# KiCad board k410t-devboard.kicad_pcb (continued)
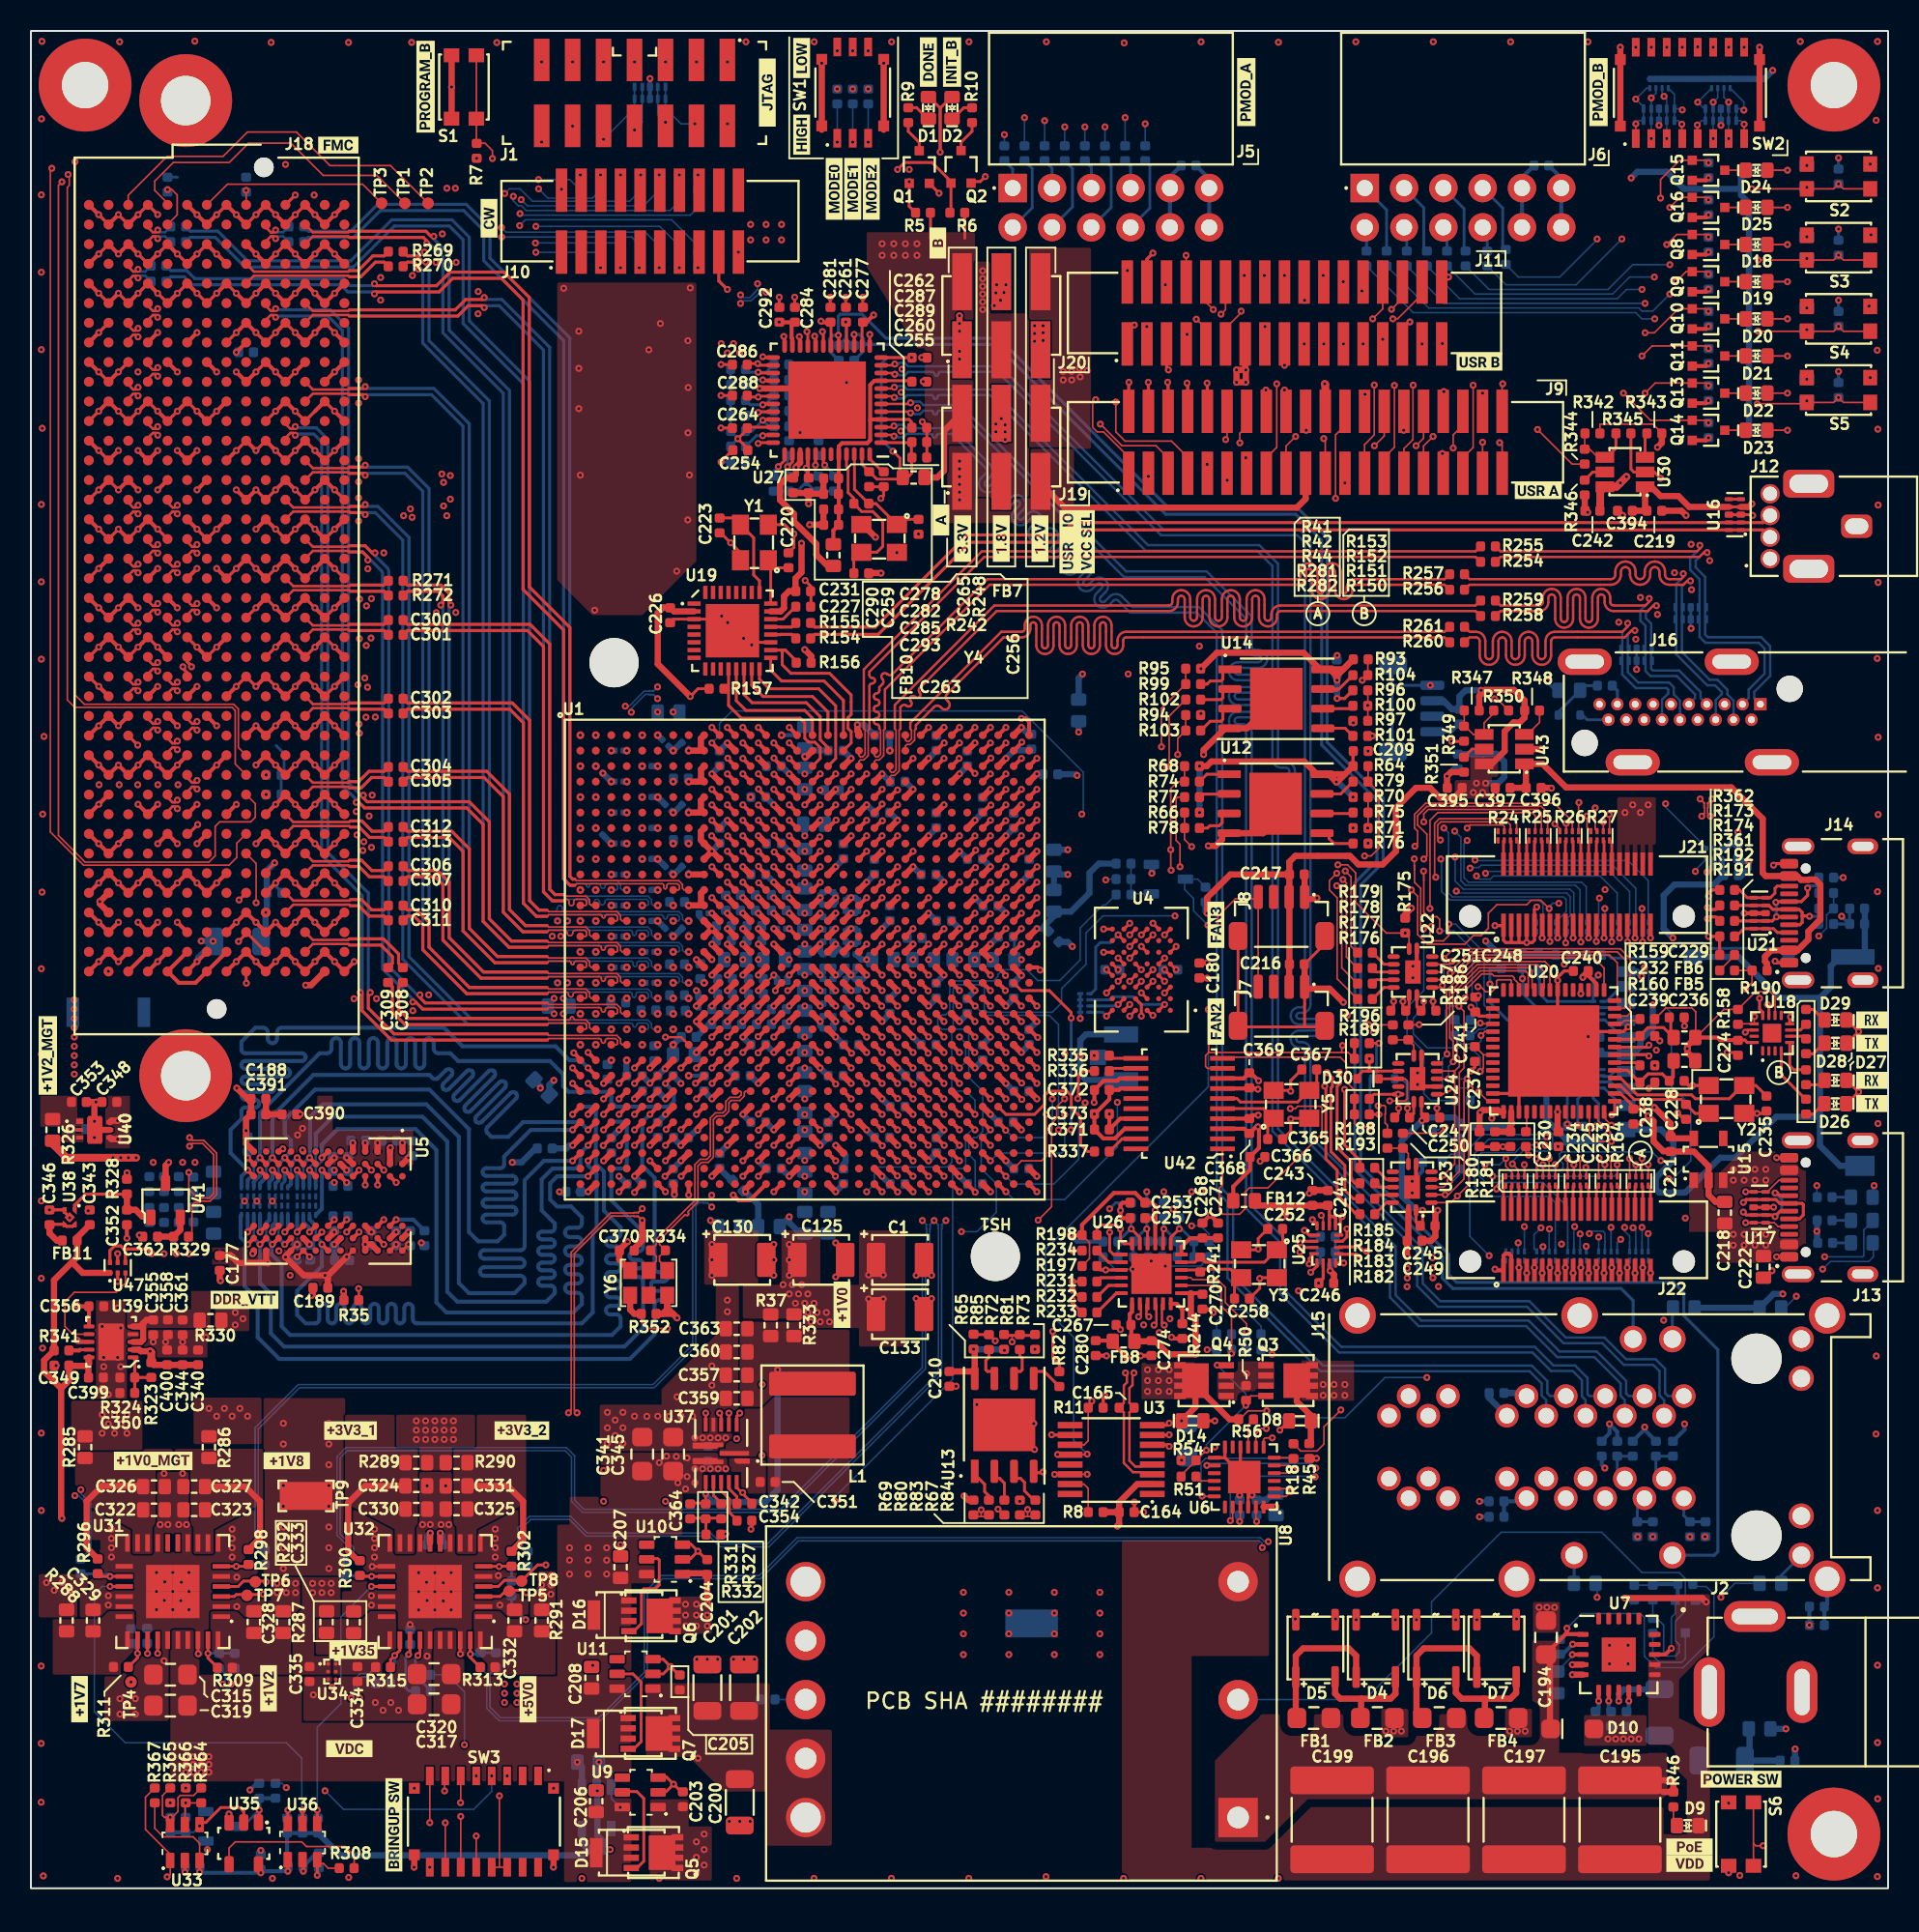
[diagram p0: board, top side]
## Routing (per net, layer and track width the routed paths; a pad name or vN(x,y) marks a point on that pad's centre or on a via; arc(x,y) is an arc through that point) (continued)
/FPGA Bank 33 & 34/SD_CARD.DAT2: length 115.3
  Top w0.256: U1.AE9 v1(43,50)
  In5.Cu w0.1: v1(43,50) 43.3,50 43.7,49.6 47.21,49.6 47.6,49.21 47.6,45.18 45.82,43.4 45.82,37.18 49.07,33.93 49.07,28.05 49.53,27.6 60.8,27.6 71.3,38.1 74.5,38.1 85.2,48.8 91.7,48.8 100.65,57.75 100.65,59.03 101,59.38 101.55,59.38 101.85,59.07 101.85,54.57 arc(101.78,54.42) 101.62,54.35 100.81,54.35 arc(100.65,54.28) 100.58,54.12 arc(100.65,53.97) 100.81,53.9 101.62,53.9 arc(101.78,53.83) 101.85,53.68 arc(101.78,53.52) 101.62,53.45 100.81,53.45 arc(100.65,53.38) 100.58,53.22 arc(100.65,53.07) 100.81,53 101.62,53 arc(101.78,52.93) 101.85,52.78 arc(101.78,52.62) 101.62,52.55 100.81,52.55 arc(100.65,52.48) 100.58,52.32 arc(100.65,52.17) 100.81,52.1 101.62,52.1 arc(101.78,52.03) 101.85,51.88 101.85,51.72 101.07,50.95 v1(101.07,49.22)
  Bottom w0.184: v1(101.07,49.22) 101.29,49.22 101.3,49.24 101.3,50.7 100.95,51.05 100.95,51.7
/FPGA Bank 33 & 34/SD_CARD.DAT3: length 121.7
  Top w0.256: U1.AB10 v1(44,53)
  In5.Cu w0.1: v1(99.95,49.3) 99.95,48.45 100.68,47.72 102.18,47.72 102.53,48.07 102.53,59.97 101.82,60.68 94.5,60.68 91.1,57.28 91.1,56.53 89.88,55.3 89.1,55.3 73.4,39.6 70.3,39.6 61.43,30.72 60.93,30.72 arc(60.8,30.78) 60.75,30.9 60.75,31.35 arc(60.7,31.48) 60.57,31.53 arc(60.45,31.48) 60.4,31.35 60.4,30.9 arc(60.35,30.78) 60.22,30.72 arc(60.1,30.78) 60.05,30.9 60.05,31.35 arc(60,31.48) 59.88,31.53 arc(59.75,31.48) 59.7,31.35 59.7,30.9 arc(59.65,30.78) 59.53,30.72 arc(59.4,30.78) 59.35,30.9 59.35,31.35 arc(59.3,31.48) 59.18,31.53 arc(59.05,31.48) 59,31.35 59,30.9 arc(58.95,30.78) 58.82,30.72 arc(58.7,30.78) 58.65,30.9 58.65,31.35 arc(58.6,31.48) 58.47,31.53 arc(58.35,31.48) 58.3,31.35 58.3,30.9 arc(58.25,30.78) 58.12,30.72 arc(58,30.78) 57.95,30.9 57.95,31.35 arc(57.9,31.48) 57.78,31.53 arc(57.65,31.48) 57.6,31.35 57.6,30.9 arc(57.55,30.78) 57.43,30.72 arc(57.3,30.78) 57.25,30.9 57.25,31.35 arc(57.2,31.48) 57.07,31.53 arc(56.95,31.48) 56.9,31.35 56.9,30.9 arc(56.85,30.78) 56.72,30.72 52.45,30.72 50.68,32.5 50.68,35.72 47.32,39.07 47.32,42.3 49.6,44.57 49.6,50.3 49.28,50.62 47.72,50.62 47.6,50.75 47.6,52.3 47.3,52.6 44.4,52.6 v1(44,53)
  Bottom w0.184: 100.95,52.1 100.45,52.1 100.15,51.8 100.15,51.2 99.95,51 v1(99.95,49.3) 100.01,49.24 100.3,49.24
/FPGA Bank 33 & 34/SD_CARD.~{CD}: length 89.1
  Top w0.256: v1(47,50.02) 47.02,50.02 U1.AE13
  In5.Cu w0.1: v1(99.07,59.7) 96.68,59.7 95.78,58.8 95.78,57.78 94.3,56.3 92.45,56.3 90.35,54.2 89.55,54.2 74.05,38.7 70.9,38.7 61.2,29 50.12,29 49.72,29.4 49.72,34.15 46.43,37.45 46.43,42.72 48.4,44.7 48.4,49.3 48.3,49.4 47.7,49.4 47.08,50.02 v1(47,50.02)
  Bottom w0.184: 100.51,60.3 99.49,60.3 99.49,60.11 v1(99.07,59.7)
/FPGA Bank 33 & 34/USR_FLASH_0.CLK: length 36.3
  Top w0.1: v1(63.4,35.3) 63.4,35.7 63.38,35.72
  Top w0.184: 64.88,35.78 64.81,35.72 62.94,35.72 62.88,35.78
  Top w0.256: U1.AJ12 v1(46,46)
  In7.Cu w0.1: v1(46,46) 46.6,45.4 46.6,44.6 46.3,44.3 46.3,39.1 55.4,30 62.9,30 63.4,30.5 v1(63.4,35.3)
/FPGA Bank 33 & 34/USR_FLASH_0.DQ0: length 37.7
  Top w0.184: v1(66.03,35.97) 66.03,34.28 66.45,33.85 66.45,33.38
  Top w0.256: U1.AJ13 v1(47,46)
  In7.Cu w0.1: v1(66.03,35.97) 65.7,36.3 61.2,36.3 60.47,35.57 60.47,31.07 60.2,30.8 55.6,30.8 47.1,39.3 47.1,45.9 v1(47,46)
/FPGA Bank 33 & 34/USR_FLASH_0.DQ1: length 34.6
  Top w0.1: v1(62.49,24.49) 62.87,24.12 62.9,24.12
  Top w0.256: v1(45.38,44.79) 45.72,44.45 46.45,44.45 U1.AK13
  In7.Cu w0.1: v1(45.38,44.79) 45.38,39.02 55.15,29.25 61.95,29.25 62.45,28.75 62.45,24.53 v1(62.49,24.49)
/FPGA Bank 33 & 34/USR_FLASH_0.DQ2: length 37.9
  Top w0.1: 64.44,24.01 64.8,24.01 64.9,24.12 ; 64.44,24.01 64.4,24.05 v1(64.4,24.47) ; 64.44,24.01 64,24.01 63.9,24.12
  Top w0.256: U1.AH12 v1(46,47)
  In7.Cu w0.1: v1(46,47) 45.5,46.5 45.5,45.4 45.8,45.1 45.8,39.1 55.3,29.6 64,29.6 64.4,29.2 v1(64.4,24.48)
/FPGA Bank 33 & 34/USR_FLASH_0.DQ3: length 34.6
  Top w0.184: 60.91,35.81 60.94,35.78 61.9,35.78
  Top w0.256: U1.AG13 v1(47,48)
  In7.Cu w0.1: v1(47,48) 46.6,47.6 46.6,45.7 46.8,45.5 46.8,44.3 46.7,44.2 46.7,39.2 55.5,30.4 61.5,30.4 61.9,30.8 61.9,34.96 v1(62.31,35.37)
/FPGA Bank 33 & 34/USR_FLASH_0.~{CS}: length 37.8
  Top w0.1: 60.9,24.12 61,24.01 61.41,24.01 ; 61.41,24.01 61.4,24.03 v1(61.4,24.45) ; 61.41,24.01 61.8,24.01 61.9,24.12
  Top w0.256: U1.AF13 47.01,49.01 v1(47.01,48.98)
  In7.Cu w0.1: v1(61.4,24.45) 61.4,28.27 60.9,28.78 55.18,28.78 45,38.95 45,46.97 v1(47.01,48.98)
/FPGA Config/DONE: length 210.6
  Top w0.182: v1(56.75,110.26) 56.75,108.67 57.16,108.26
  Top w0.256: U1.M10 v1(44,64)
  In3.Cu w0.1: v1(44,64) 44.6,64.6 44.6,75.6 44.2,76 44.2,103.2 45,104 45,108.13 46.11,109.24 55.73,109.24 v1(56.75,110.26) 57.19,110.7 57.19,113.79 60.6,117.2 110.1,117.2 112,115.3 112,95.8 95,78.8 95,51.2 97.25,48.95 97.25,48.05 v1(97.28,48.03)
  Bottom w0.1: 99.3,41.73 99.3,44 97.7,45.6 94,45.6 93.53,46.07 93.53,47.32 93.72,47.53 95.9,47.53 96.4,48.03 v1(97.28,48.03)
/FPGA Config/FPGA_CFG_DXN: length 76.6
  Top w0.153: v1(71.28,33.3) 71.18,33.21 71.18,32.51 70.98,32.31 70.98,31.35 71.28,31.05 70.98,30.75 70.98,27.62 71.36,27.25 71.72,27.25 71.86,27.38 72.45,27.38
  Top w0.256: v1(48.1,58) 48.1,58.1 U1.U14
  In7.Cu w0.1: v1(48.1,58) 48.4,57.7 48.4,56.79 48.21,56.6 46.66,56.6 46.4,56.34 46.4,52.34 45.9,51.84 45.9,51.19 43.85,49.14 43.85,47.26 44.45,46.66 44.45,43.14 42.7,41.39 42.7,35.76 55.91,22.55 66.69,22.55 71.1,26.96 71.1,33.12 v1(71.28,33.3)
/FPGA Config/FPGA_CFG_DXP: length 76.7
  Top w0.153: 72.45,26.75 71.86,26.75 71.72,26.88 71.21,26.88 70.62,27.48 70.62,30.75 70.31,31.05 70.62,31.35 70.62,32.48 70.82,32.68 70.82,33.21 v1(70.72,33.3)
  Top w0.256: v1(48.9,58) 49,58 U1.U15
  In7.Cu w0.1: v1(70.72,33.3) 70.9,33.12 70.9,27.04 66.61,22.75 55.99,22.75 42.9,35.84 42.9,41.31 44.65,43.06 44.65,46.74 44.05,47.34 44.05,49.06 46.1,51.11 46.1,51.76 46.6,52.26 46.6,56.26 46.74,56.4 48.29,56.4 48.6,56.71 48.6,57.7 v1(48.9,58)
/FPGA Config/INIT_B: length 205.4
  Top w0.182: 59.38,108.26 59.45,108.33 59.45,110.27 58.22,111.5 56.45,111.5 v1(56,111.05)
  Top w0.256: U1.A10 v1(44,75)
  In3.Cu w0.1: v1(44,75) 44,75.6 43.8,75.8 43.8,103.37 44.6,104.17 44.6,109.22 45.68,110.3 55.25,110.3 v1(56,111.05) 56,113.17 60.43,117.6 110.3,117.6 112.4,115.5 112.4,95.6 95.4,78.6 95.4,51.4 96.6,50.2 96.62,50.2 97.93,48.89 v1(97.93,48.55)
  Bottom w0.1: 98.5,41.73 98.5,44.3 98.1,44.7 93.93,44.7 93.28,45.35 93.28,47.47 94.2,48.4 97.78,48.4 v1(97.93,48.55)
/FPGA Config/JTAG.RST: length 192.1
  Top w0.1: v1(14.55,63.67) 14.55,66.21 13.91,66.85
  In3.Cu w0.1: v1(14.55,63.67) 14.55,65.12 13.07,66.6 7.93,66.6 5.25,69.28 5.25,106.2 6.65,107.6 15.9,107.6 17.65,109.35 17.65,110.17 v1(16.45,111.38)
  In7.Cu w0.1: v1(16.45,111.38) 16.47,111.38 19.6,114.5 34.35,114.5 v1(35,113.85) 36.5,115.35 45.23,115.35 50.98,109.6 50.98,106.15 52.15,104.98 57.35,104.98 61.9,100.43 61.9,88.61 67.06,83.45 86.68,83.45 99.01,71.12 104.58,71.12 v1(105.62,70.08)
  Bottom w0.1: 108.25,67.19 108.25,67.23 105.62,69.86 v1(105.62,70.08)
/FPGA Config/JTAG.TCK: length 238.9
  Top w0.1: v1(84.38,65.58) 83.9,65.1 83.9,64.5 84.4,64 84.4,58.76 85.72,57.45 ; 13.91,73.2 13.4,73.71 13.4,76.2 13.1,76.5 3.45,76.5 2.85,77.1 v1(2.85,111.55)
  Top w0.256: U1.E10 v1(44,71)
  In3.Cu w0.1: v1(41,114.1) 41.4,114.5 43.2,114.5 44.4,113.3 44.4,104.25 43.6,103.45 43.6,71.4 v1(44,71)
  In7.Cu w0.1: v1(84.38,65.58) 83.8,65 83.8,64.5 84,64.3 86.4,64.3 88,65.9 88,78.7 83.6,83.1 67,83.1 61.6,88.5 61.6,96.3 59.5,98.4 59.5,100.6 55.4,104.7 52,104.7 50.7,106 50.7,109.4 46.9,113.2 44.3,113.2 43.8,113.7 43.8,114.3 43.4,114.7 41.6,114.7 v1(41,114.1) 40,115.1 36.9,115.1 35.2,113.4 34.8,113.4 34,114.2 19.93,114.2 15.93,110.2 12.93,110.2 11.57,111.55 v1(2.85,111.55)
  Bottom w0.1: U2.9 40.5,114.6 v1(41,114.1)
/FPGA Config/JTAG.TDI: length 239.7
  Top w0.1: 13.91,71.93 13.2,72.64 13.2,76.1 13,76.3 2.82,76.3 2.35,76.78 2.35,109.9 2.47,110.03 2.47,110.65 v1(2.4,110.72) ; 85.72,59.45 85,60.16 85,64.95 v1(84.78,65.17)
  Top w0.256: U1.H10 44,68 v1(43.98,68)
  In3.Cu w0.1: v1(37,113) 43.33,113 43.8,112.53 43.8,104.5 43,103.7 43,70.8 43.4,70.4 43.4,69.2 43.5,69.1 43.5,68.5 44,68
  In7.Cu w0.1: v1(2.4,110.72) 2.47,110.65 10.97,110.65 12.57,109.05 15.72,109.05 20.28,113.6 33.6,113.6 34.4,112.8 35.5,112.8 35.7,113 v1(37,113) 38.1,114.1 39.2,114.1 39.6,113.7 39.6,113 40,112.6 46.7,112.6 50.2,109.1 50.2,105.7 51.6,104.3 55,104.3 59.1,100.2 59.1,98 61.2,95.9 61.2,88.1 67,82.3 83.2,82.3 87.6,77.9 87.6,66.3 86.48,65.17 84.78,65.17
  Bottom w0.1: 39,115.61 39,115 v1(37,113) ; 39,116.39 39,115.61
/FPGA Config/JTAG.TDO: length 244.5
  Top w0.1: v1(84.93,65.72) 85.3,65.35 85.3,60.87 85.72,60.45 ; 13.91,70.66 14.5,70.07 14.5,69.2 14.2,68.9 12.2,68.9 11.9,68.6 11.9,66.7 11.5,66.3 3.5,66.3 1.78,68.03 1.78,110.03 v1(2,110.25)
  Top w0.256: U1.G10 v1(44,69)
  In3.Cu w0.1: v1(39,113.6) 43.02,113.6 44,112.62 44,104.42 43.2,103.62 43.2,70.9 43.6,70.5 43.6,69.4 v1(44,69)
  In7.Cu w0.1: v1(84.93,65.72) 86.62,65.72 87.4,66.5 87.4,77.7 83.2,81.9 67,81.9 61,87.9 61,95.7 58.9,97.8 58.9,100 54.8,104.1 51.4,104.1 50,105.5 50,108.9 46.6,112.3 39.8,112.3 39,113.1 v1(39,113.6) 38.5,113.6 37.4,112.5 34.2,112.5 33.4,113.3 20.4,113.3 15.88,108.78 12.12,108.78 10.65,110.25 v1(2,110.25)
  Bottom w0.1: v1(39,113.6) 39.5,114.1 39.5,116.39
/FPGA Config/JTAG.TMS: length 243.7
  Top w0.1: v1(1.35,111.12) 1.25,111.03 1.25,68.25 3.4,66.1 12.8,66.1 13.3,66.6 13.3,67.52 13.91,68.12 ; v1(84.38,64.78) 84.7,64.45 84.7,59.47 85.72,58.45
  Top w0.256: U1.F10 v1(44,70)
  In3.Cu w0.1: v1(42.9,114) 44.2,112.7 44.2,104.33 43.4,103.53 43.4,71 43.8,70.6 43.8,70.2 v1(44,70)
  In7.Cu w0.1: v1(1.35,111.12) 11.2,111.12 13.03,109.3 15.57,109.3 20.18,113.9 33.8,113.9 34.6,113.1 35.4,113.1 37,114.7 39.8,114.7 40.8,113.7 41.3,113.7 41.6,114 v1(42.9,114) 44,112.9 46.8,112.9 50.5,109.2 50.5,105.8 51.8,104.5 55.2,104.5 59.3,100.4 59.3,98.2 61.4,96.1 61.4,88.3 67,82.7 83.4,82.7 87.8,78.3 87.8,66.1 86.47,64.78 v1(84.38,64.78)
  Bottom w0.1: v1(42.9,114) 42,114 41,115 U2.10
/FPGA Config/MODE0: length 233.7
  Top w0.1: 97.7,46.53 v1(97.7,46.75)
  Top w0.256: U1.AB5 v1(39,53)
  In3.Cu w0.1: v1(97.7,46.75) 97.7,47.28 97.94,47.53 98.22,47.53 98.3,47.6 98.3,48.8 95.6,51.5 95.6,78.5 112.6,95.5 112.6,115.6 110.4,117.8 60.35,117.8 54.65,112.1 52.82,112.1 v1(52.1,112.82) 52.1,114.7 51.7,115.1 38,115.1 33.7,110.8 33.7,105.13 32.9,104.33 32.9,54.27 33.17,54 33.93,54 34.2,54.28 34.2,54.6 35,55.4 36.65,55.4 37.07,54.97 37.07,54.12 36.57,53.62 36.57,53.22 36.8,53 v1(39,53)
  Bottom w0.1: v1(52.1,112.82) 52.1,115.28
/FPGA Config/MODE1: length 229.9
  Top w0.1: 99.3,46.53 v1(99.3,47.15)
  Top w0.256: v1(36,54) U1.AB2
  In3.Cu w0.1: v1(36,54) 36,54.85 35.82,55.03 35.1,55.03 34.55,54.47 34.55,53.93 34.35,53.72 33.16,53.72 32.7,54.18 32.7,104.42 33.5,105.22 33.5,110.88 37.92,115.3 52.5,115.3 53.1,114.7 v1(53.1,112.82) 53.62,112.3 54.57,112.3 60.27,118 110.5,118 112.8,115.7 112.8,95.4 95.8,78.4 95.8,51.6 99.3,48.1 v1(99.3,47.15)
  Bottom w0.1: v1(53.1,112.82) 53.1,115.28
/FPGA Config/MODE2: length 249.5
  Top w0.1: 35.5,53.55 U1.AB1
  Top w0.256: v1(35.07,53.97) 35.5,53.55
  In3.Cu w0.1: v1(35.07,53.97) 35.07,53.88 34.65,53.45 33.15,53.45 32.5,54.1 32.5,104.5 33.3,105.3 33.3,110.97 37.83,115.5 53.2,115.5 54.1,114.6 v1(54.1,112.82) 54.8,112.82 60.19,118.2 110.6,118.2 113,115.8 113,95.3 96,78.3 96,51.93 101.22,46.7 101.22,46.55 101.53,46.25 102.88,46.25 103,46.38 103,46.9 102.72,47.18 102.72,47.4 102.9,47.57 104.22,47.57 105.4,46.4 105.4,45.6 107.4,43.6 107.4,43 105.2,40.8 102.05,40.8 101.1,41.75 101.05,41.75 100.7,42.1 v1(100.7,42.3)
  Bottom w0.1: v1(54.1,112.82) 54.1,115.28 ; 101.7,41.73 101.7,42.32 101.57,42.45 100.85,42.45 v1(100.7,42.3)
/FPGA Config/PROGRAM_B: length 234.7
  Top w0.1: v1(29.82,111.76) 29.82,112.27 29.34,112.75 28.8,112.75 28.78,112.77 28.78,118.43
  Top w0.256: U1.K10 v1(44,66)
  In3.Cu w0.1: v1(44,66) 44.4,66.4 44.4,75.5 44,75.9 44,103.29 44.8,104.09 44.8,108.74 45.85,109.79 55.49,109.79 v1(56.75,111.05) 56.75,113.63 60.52,117.4 110.2,117.4 112.2,115.4 112.2,95.7 95.2,78.7 95.2,51.3 97.45,49.05 97.45,48.4 v1(97.85,48)
  In5.Cu w0.1: v1(29.82,111.76) 56.04,111.76 v1(56.75,111.05) ; v1(99.75,42.75) 99.75,46.1 v1(97.85,48)
  Bottom w0.1: 99.7,41.73 99.7,42.7 v1(99.75,42.75)
/FPGA Config/TEMP_~{ALERT}: length 75.2
  Top w0.1: v1(68.55,31.48) 68.31,31.24 68.31,28.91 68.05,28.65 67.15,28.65 ; v1(97.28,47.12) 97.3,47.1 97.3,46.53
  In3.Cu w0.1: v1(105.31,47.01) 105.31,46.99 108.5,43.8 108.5,39.6 108.1,39.2 99,39.2 95.11,35.31 89.62,35.31 85.66,31.35 84.45,31.35 79.35,26.25 68.05,26.25 67.75,26.55 67.75,30.68 v1(68.55,31.48)
  Bottom w0.1: v1(105.31,47.01) 104.75,47.57 98.9,47.57 98.78,47.45 98.78,47.05 99,46.82 99,46.55 98.8,46.35 97.53,46.35 97.28,46.6 v1(97.28,47.12)
/FPGA supply/MGTRREF: length 0.3
  Bottom w0.4: 42.28,56.7 42.3,56.7 v1(42.5,56.5)
/HDMI + Ethernet/ETH1_N: length 53.7
  Top w0.153: v1(71.57,36.93) 71.72,37.08 71.72,37.69 71.65,37.76
  In7.Cu w0.1: J15.1_1 106.8,26.22 107.07,26.49 107.07,28.57 106.57,29.07 94.32,29.07 arc(94.18,29.13) 94.12,29.28 94.12,29.61 arc(93.96,30) 93.57,30.16 arc(93.19,30) 93.03,29.61 93.03,29.28 arc(92.97,29.13) 92.82,29.07 arc(92.68,29.13) 92.62,29.28 92.62,29.61 arc(92.46,30) 92.07,30.16 arc(91.69,30) 91.53,29.61 91.53,29.28 arc(91.47,29.13) 91.32,29.07 86.97,29.07 86.38,29.67 86.38,34.07 85.17,35.28 82.37,35.28 78.97,38.68 72.33,38.68 71.72,38.07 71.72,37.08 v1(71.57,36.93)
  Bottom w0.182: J15.1_1 106.8,24.08 107.2,23.69 108.2,23.69
/HDMI + Ethernet/ETH1_P: length 53.8
  Top w0.153: v1(72.23,36.93) 72.08,37.08 72.08,37.69 72.15,37.76
  In7.Cu w0.1: 105.53,26.47 106.55,26.47 106.73,26.64 106.73,28.43 106.43,28.72 106.05,28.72 arc(105.84,28.64) 105.75,28.43 105.75,28.04 arc(105.66,27.83) 105.45,27.74 arc(105.24,27.83) 105.15,28.04 105.15,28.43 arc(105.06,28.64) 104.85,28.72 94.32,28.72 arc(93.94,28.89) 93.78,29.28 93.78,29.61 arc(93.72,29.75) 93.57,29.81 arc(93.43,29.75) 93.38,29.61 93.38,29.28 arc(93.21,28.89) 92.82,28.72 arc(92.44,28.89) 92.28,29.28 92.28,29.61 arc(92.22,29.75) 92.07,29.81 arc(91.93,29.75) 91.88,29.61 91.88,29.28 arc(91.71,28.89) 91.32,28.72 86.83,28.72 86.03,29.53 86.03,33.93 85.03,34.93 82.23,34.93 78.83,38.32 72.47,38.32 72.07,37.93 72.07,37.08 v1(72.23,36.93)
  Bottom w0.182: 105.53,26.47 105,27 105,27.91 106.1,27.91
/HDMI + Ethernet/ETH2_N: length 53.8
  Top w0.153: U26.22 72.72,37.69 72.72,36.53 v1(72.57,36.38)
  In7.Cu w0.1: J15.3_1 104.26,26.22 104.47,26.43 104.47,27.47 103.97,27.97 94.25,27.97 arc(93.88,27.82) 93.72,27.45 93.72,26.97 arc(93.67,26.85) 93.55,26.8 arc(93.43,26.85) 93.38,26.97 93.38,27.45 arc(93.22,27.82) 92.85,27.97 arc(92.48,27.82) 92.32,27.45 92.32,26.97 arc(92.27,26.85) 92.15,26.8 arc(92.03,26.85) 91.97,26.97 91.97,27.45 arc(91.82,27.82) 91.45,27.97 85.97,27.97 82.95,31 arc(82.56,31.16) 82.17,31 81.95,30.78 arc(81.81,30.72) 81.67,30.78 arc(81.61,30.92) 81.67,31.06 82.64,32.03 arc(82.8,32.42) 82.64,32.81 arc(82.25,32.97) 81.86,32.81 80.89,31.84 arc(80.75,31.78) 80.61,31.84 arc(80.55,31.98) 80.61,32.12 81.58,33.09 arc(81.74,33.48) 81.58,33.87 arc(81.19,34.03) 80.8,33.87 80.58,33.65 arc(80.44,33.59) 80.3,33.65 77.67,36.28 76.07,36.28 74.77,37.57 73.33,37.57 72.72,36.97 72.72,36.54 v1(72.57,36.38)
  Bottom w0.182: 104.8,23.69 103.8,23.69 103.8,24.74 J15.3_1
/HDMI + Ethernet/ETH2_P: length 53.7
  Top w0.153: v1(73.23,36.38) 73.08,36.53 73.08,37.69 U26.23
  In7.Cu w0.1: v1(73.23,36.38) 73.07,36.54 73.07,36.83 73.47,37.22 74.63,37.22 75.93,35.93 77.53,35.93 80.05,33.4 arc(80.44,33.24) 80.83,33.4 81.05,33.62 arc(81.19,33.68) 81.33,33.62 arc(81.39,33.48) 81.33,33.34 80.36,32.37 arc(80.2,31.98) 80.36,31.59 arc(80.75,31.43) 81.14,31.59 82.11,32.56 arc(82.25,32.62) 82.39,32.56 arc(82.45,32.42) 82.39,32.28 81.42,31.31 arc(81.26,30.92) 81.42,30.53 arc(81.81,30.37) 82.2,30.53 82.42,30.75 arc(82.56,30.81) 82.7,30.75 85.83,27.62 91.45,27.62 arc(91.57,27.57) 91.62,27.45 91.62,26.97 arc(91.78,26.6) 92.15,26.45 arc(92.52,26.6) 92.68,26.97 92.68,27.45 arc(92.73,27.57) 92.85,27.62 arc(92.97,27.57) 93.03,27.45 93.03,26.97 arc(93.18,26.6) 93.55,26.45 arc(93.92,26.6) 94.07,26.97 94.07,27.45 arc(94.13,27.57) 94.25,27.62 98.57,27.62 arc(98.79,27.54) 98.88,27.32 98.88,26.94 arc(98.96,26.73) 99.18,26.64 arc(99.39,26.73) 99.47,26.94 99.47,27.32 arc(99.56,27.54) 99.78,27.62 103.83,27.62 104.12,27.33 104.12,26.58 104.01,26.47 102.99,26.47
  Bottom w0.182: 102.99,26.47 102.5,26.96 102.5,27.91 103.5,27.91
/HDMI + Ethernet/ETH_3V3: length 48.9
  Top w0.256: 75.7,38.4 75.65,38.45 U26.1 ; 71.15,37.76 71.15,37.25 71,37.1 71,36.5 71.1,36.4 71.1,35.73 71.49,35.34
  Top w0.4: 71.49,35.34 72.35,35.34 72.4,35.38 72.62,35.38 73.5,34.5 v1(75.25,34.5) 75.25,36.75 74.95,37.05 74.95,38.45
  In2.Cu w0.4: v1(75.25,34.5) 75.9,33.85 75.9,29.1 75.1,28.3 75.1,18.9 78.5,15.5 90.25,15.5
  Bottom w0.256: 105,28.88 104.28,29.61 v1(104.28,29.8) 104.28,29.66 103.5,28.88 ; 101.5,27.9 101.5,27.35 v1(101.7,27.15) ; 94.22,24 v1(93.6,24)
  vias: v1(103.82,22.72) v1(107.2,22.72)
/HDMI + Ethernet/ETH_CONN_SH: length 3.1
  Bottom w0.256: 116.07,19.99 116.07,18.37 115.88,18.19 115.88,17
/HDMI + Ethernet/ETH_ISET: length 1.8
  Top w0.256: 74.4,36.49 74.4,37.4 74.04,37.76 U26.24
/HDMI + Ethernet/ETH_LED_LINK+: length 2.4
  Bottom w0.182: 114.4,21.51 113.1,20.22 R251.1
/HDMI + Ethernet/ETH_LED_LINK-: length 80.5
  Top w0.1: v1(78.55,35.97) 78.55,36.47 77.18,37.85 77.18,38.82 76.68,39.32 75.07,39.32 74.95,39.45 U26.3
  In3.Cu w0.1: v1(78.55,35.97) 76,35.97 73.93,33.9 69.38,33.9 66.9,31.43 66.9,26.35 67.8,25.45 69.55,25.45 71.38,23.62 73.1,23.62 73.6,24.12 81.72,24.12 86.1,28.5 113.12,28.5 114.4,27.23 114.4,24.06
  Bottom w0.1: 78.51,34.8 78.51,35.8
/HDMI + Ethernet/ETH_LED_SPD+: length 4.2
  In3.Cu w0.1: v1(114.07,38.25) 114.4,37.93 114.4,35.49
  Bottom w0.1: R252.1 113.32,37.5 v1(114.07,38.25)
/HDMI + Ethernet/ETH_LED_SPD-: length 80.6
  Top w0.1: v1(77.57,34.55) 77.57,36.95 76.9,37.62 76.9,38.6 76.55,38.95 U26.2
  In3.Cu w0.1: v1(77.57,34.55) 77.57,33 75.55,30.97 71.93,30.97 70.82,32.07 70.82,32.55 70.25,33.12 69.15,33.12 67.3,31.28 67.3,26.35 67.85,25.8 71.32,25.8 72.68,24.45 77.5,24.45 78.07,25.03 80.62,25.03 81.15,24.5 81.82,24.5 86.12,28.8 111.8,28.8 114.4,31.4 114.4,32.94
  Bottom w0.1: v1(77.57,34.55) 77.59,34.56 77.59,35.8
/HDMI + Ethernet/ETH_PHY_REFCLK: length 1.9
  Top w0.198: 68.88,41.2 69.63,40.45 70.46,40.45
/HDMI + Ethernet/ETH_PHY_RX_DV: length 4.1
  Top w0.184: 71.65,41.64 71.65,42.05 v1(71.1,42.6)
  Bottom w0.184: 70.24,40.78 70.24,41.78 71.05,42.6 v1(71.1,42.6) 71.08,42.62 71.08,43.31
/HDMI + Ethernet/ETH_PHY_RXD1: length 4.2
  Top w0.184: 73.65,41.64 73.65,42.05 v1(74.2,42.6)
  Bottom w0.184: 74.2,43.31 v1(74.2,42.6) 74.34,42.6 75.14,41.8 75.14,40.78
/HDMI + Ethernet/ETH_PHY_RXDO: length 3.9
  Top w0.184: v1(73.2,42.6) 73.15,42.55 73.15,41.64
  Bottom w0.184: 74.07,40.8 74.07,41.8 73.27,42.6 v1(73.2,42.6) 73.2,43.31
/HDMI + Ethernet/ETH_PHY_RXER: length 3.9
  Top w0.184: 72.15,41.64 72.15,42.55 v1(72.1,42.6)
  Bottom w0.184: 72.1,43.31 v1(72.1,42.6) 72.03,42.6 71.23,41.8 71.23,40.78
/HDMI + Ethernet/ETH_PHY_TXD1: length 2.1
  Top w0.198: 68.88,37.2 70.13,38.45 70.46,38.45
/HDMI + Ethernet/ETH_PHY_TXDO: length 1.9
  Top w0.198: 68.88,38.2 69.63,38.95 70.46,38.95
/HDMI + Ethernet/ETH_PHY_TXEN: length 1.7
  Top w0.198: 70.46,39.45 69.13,39.45 68.88,39.2
/HDMI + Ethernet/ETH_VDDCR: length 3.1
  Top w0.256: 76.7,42.01 75.72,42.01 75.7,42 74.9,42 74.34,41.44 74.34,40.95
/HDMI + Ethernet/ETH_XI: length 8.3
  Top w0.182: 74.34,40.45 75.22,40.45 75.55,40.78 75.88,40.45 79.7,40.45 80.88,41.63 80.88,42.6
/HDMI + Ethernet/ETH_XO: length 5.8
  Top w0.182: 74.34,39.95 75.41,39.95 75.55,39.81 75.62,39.81 75.8,40 77.5,40 78.05,39.45 Y3.3 77.76,39.01 77.76,38.1
/HDMI + Ethernet/GBE1_N: length 108.7
  Top w0.153: v1(55.76,94.48) 55.69,94.4 54.88,94.4
  Bottom w0.153: v1(55.76,94.48) 55.86,94.38 56.04,94.55 56.37,94.55 56.59,94.33 59.62,94.33 61.98,91.98 arc(62.14,91.58) 61.98,91.19 61.67,90.88 arc(61.61,90.75) 61.67,90.61 arc(61.81,90.55) 61.95,90.61 62.25,90.91 arc(62.65,91.08) 63.04,90.91 arc(63.21,90.52) 63.04,90.13 62.74,89.82 arc(62.68,89.68) 62.74,89.54 arc(62.87,89.48) 63.01,89.54 63.32,89.85 arc(63.71,90.01) 64.11,89.85 arc(64.27,89.45) 64.11,89.06 63.8,88.75 arc(63.74,88.62) 63.8,88.48 arc(63.94,88.42) 64.08,88.48 64.38,88.78 arc(64.78,88.95) 65.17,88.78 arc(65.34,88.39) 65.17,88 64.87,87.69 arc(64.81,87.55) 64.87,87.41 arc(65,87.35) 65.14,87.41 65.45,87.72 arc(65.84,87.88) 66.24,87.72 arc(66.4,87.32) 66.24,86.93 65.93,86.62 arc(65.87,86.49) 65.93,86.35 arc(66.07,86.29) 66.21,86.35 66.51,86.65 arc(66.91,86.82) 67.3,86.65 arc(67.47,86.26) 67.3,85.87 67,85.56 arc(66.94,85.42) 67,85.28 arc(67.13,85.22) 67.27,85.28 67.58,85.59 arc(67.97,85.75) 68.37,85.59 arc(68.53,85.19) 68.37,84.8 68.06,84.49 arc(68,84.36) 68.06,84.22 arc(68.2,84.16) 68.34,84.22 68.64,84.52 arc(69.04,84.69) 69.43,84.52 arc(69.6,84.13) 69.43,83.74 69.13,83.43 arc(69.07,83.29) 69.13,83.15 arc(69.26,83.09) 69.4,83.15 69.71,83.46 arc(70.1,83.62) 70.5,83.46 71.17,82.78 75.47,82.78 76.98,81.27 76.98,45.17 77.68,44.47 77.68,39.57 83.49,33.77 96.99,33.77 97.98,32.77 97.98,31.99 98.17,31.8 99.18,31.8
/HDMI + Ethernet/GBE1_P: length 108.7
  Top w0.153: 54.88,93.9 55.68,93.9 v1(55.76,93.82)
  Bottom w0.153: v1(55.76,93.82) 55.87,93.92 56.04,93.75 56.37,93.75 56.59,93.97 58.13,93.97 arc(58.22,93.93) 58.26,93.84 58.26,93.84 arc(58.29,93.75) 58.38,93.71 arc(58.47,93.75) 58.51,93.84 58.51,93.84 arc(58.55,93.93) 58.64,93.97 59.48,93.97 61.72,91.72 arc(61.78,91.58) 61.72,91.45 61.42,91.14 arc(61.25,90.75) 61.42,90.35 arc(61.81,90.19) 62.2,90.35 62.51,90.66 arc(62.65,90.71) 62.79,90.66 arc(62.84,90.52) 62.79,90.38 62.48,90.07 arc(62.32,89.68) 62.48,89.29 arc(62.87,89.12) 63.27,89.29 63.57,89.59 arc(63.71,89.65) 63.85,89.59 arc(63.91,89.45) 63.85,89.32 63.55,89.01 arc(63.38,88.62) 63.55,88.22 arc(63.94,88.06) 64.33,88.22 64.64,88.53 arc(64.78,88.59) 64.92,88.53 arc(64.97,88.39) 64.92,88.25 64.61,87.94 arc(64.45,87.55) 64.61,87.16 arc(65,86.99) 65.4,87.16 65.7,87.46 arc(65.84,87.52) 65.98,87.46 arc(66.04,87.32) 65.98,87.19 65.68,86.88 arc(65.51,86.49) 65.68,86.09 arc(66.07,85.93) 66.46,86.09 66.77,86.4 arc(66.91,86.46) 67.05,86.4 arc(67.1,86.26) 67.05,86.12 66.74,85.81 arc(66.58,85.42) 66.74,85.03 arc(67.13,84.86) 67.53,85.03 67.83,85.33 arc(67.97,85.39) 68.11,85.33 arc(68.17,85.19) 68.11,85.06 67.81,84.75 arc(67.64,84.36) 67.81,83.96 arc(68.2,83.8) 68.59,83.96 68.9,84.27 arc(69.04,84.33) 69.18,84.27 arc(69.23,84.13) 69.18,83.99 68.87,83.68 arc(68.71,83.29) 68.87,82.9 arc(69.26,82.73) 69.66,82.9 69.96,83.2 arc(70.1,83.26) 70.24,83.2 71.03,82.42 75.33,82.42 76.62,81.13 76.62,45.03 77.32,44.33 77.32,39.43 83.34,33.41 96.84,33.41 97.62,32.63 97.62,31.84 97.91,31.55 97.91,30.53
/HDMI + Ethernet/GBE2_N: length 108.7
  Top w0.153: 54.88,95.9 56.76,95.9 v1(56.84,95.98)
  Bottom w0.153: 101.72,31.8 100.71,31.8 100.58,31.93 100.58,32.97 99.77,33.78 98.37,33.78 97.17,34.98 84.67,34.98 81.08,38.57 81.08,41.87 78.88,44.07 78.88,74.63 arc(78.71,75.04) 78.3,75.21 77.99,75.21 arc(77.84,75.28) 77.78,75.43 arc(77.84,75.59) 77.99,75.65 79.31,75.65 arc(79.72,75.82) 79.89,76.23 arc(79.72,76.64) 79.31,76.81 77.99,76.81 arc(77.84,76.88) 77.78,77.03 arc(77.84,77.19) 77.99,77.25 79.31,77.25 arc(79.72,77.42) 79.89,77.83 arc(79.72,78.24) 79.31,78.41 77.99,78.41 arc(77.84,78.48) 77.78,78.63 arc(77.84,78.79) 77.99,78.85 79.31,78.85 arc(79.72,79.02) 79.89,79.43 arc(79.72,79.84) 79.31,80.01 79.1,80.01 arc(78.94,80.08) 78.88,80.23 78.88,82.17 75.97,85.08 70.77,85.08 60.02,95.83 57.66,95.83 57.45,96.05 57.11,96.05 56.94,95.87 v1(56.84,95.98)
/HDMI + Ethernet/GBE2_P: length 108.7
  Top w0.153: v1(56.84,95.32) 56.76,95.4 54.88,95.4
  Bottom w0.153: J15.6_2 100.45,31.55 100.22,31.78 100.22,32.83 99.63,33.42 98.23,33.42 97.03,34.62 84.53,34.62 80.72,38.43 80.72,41.73 78.52,43.93 78.52,74.63 arc(78.46,74.79) 78.3,74.85 77.99,74.85 arc(77.58,75.02) 77.41,75.43 arc(77.58,75.84) 77.99,76.01 79.31,76.01 arc(79.46,76.08) 79.52,76.23 arc(79.46,76.39) 79.31,76.45 77.99,76.45 arc(77.58,76.62) 77.41,77.03 arc(77.58,77.44) 77.99,77.61 79.31,77.61 arc(79.46,77.68) 79.52,77.83 arc(79.46,77.99) 79.31,78.05 77.99,78.05 arc(77.58,78.22) 77.41,78.63 arc(77.58,79.04) 77.99,79.21 79.31,79.21 arc(79.46,79.28) 79.52,79.43 arc(79.46,79.59) 79.31,79.65 79.1,79.65 arc(78.69,79.82) 78.52,80.23 78.52,82.03 75.83,84.72 70.63,84.72 59.88,95.47 58.69,95.47 arc(58.6,95.43) 58.56,95.34 58.56,95.34 arc(58.52,95.25) 58.43,95.21 arc(58.34,95.25) 58.31,95.34 58.31,95.34 arc(58.27,95.43) 58.18,95.47 57.67,95.47 57.45,95.24 57.11,95.24 56.94,95.42 v1(56.84,95.32)
/HDMI + Ethernet/GBE3_N: length 108.7
  Top w0.153: 54.88,96.9 55.71,96.9 v1(55.79,96.98)
  Bottom w0.153: 104.26,31.8 103.25,31.8 103.08,31.97 103.08,32.77 101.17,34.68 98.77,34.68 96.77,36.68 89.82,36.68 88.18,38.32 88.18,41.47 80.58,49.07 80.58,68.18 arc(80.64,68.34) 80.8,68.4 81.09,68.4 arc(81.5,68.57) 81.67,68.98 arc(81.5,69.39) 81.09,69.56 79.81,69.56 arc(79.65,69.63) 79.59,69.78 arc(79.65,69.94) 79.81,70 81.09,70 arc(81.5,70.17) 81.67,70.58 arc(81.5,70.99) 81.09,71.16 79.81,71.16 arc(79.65,71.23) 79.59,71.38 arc(79.65,71.54) 79.81,71.6 81.09,71.6 arc(81.5,71.77) 81.67,72.18 arc(81.5,72.59) 81.09,72.76 80.8,72.76 arc(80.64,72.83) 80.58,72.98 80.58,85.57 79.37,86.78 72.17,86.78 62.12,96.83 56.62,96.83 56.4,97.06 56.06,97.06 55.89,96.88 v1(55.79,96.98)